# KiCad board cpu-blitter-inputs.kicad_pcb (continued)
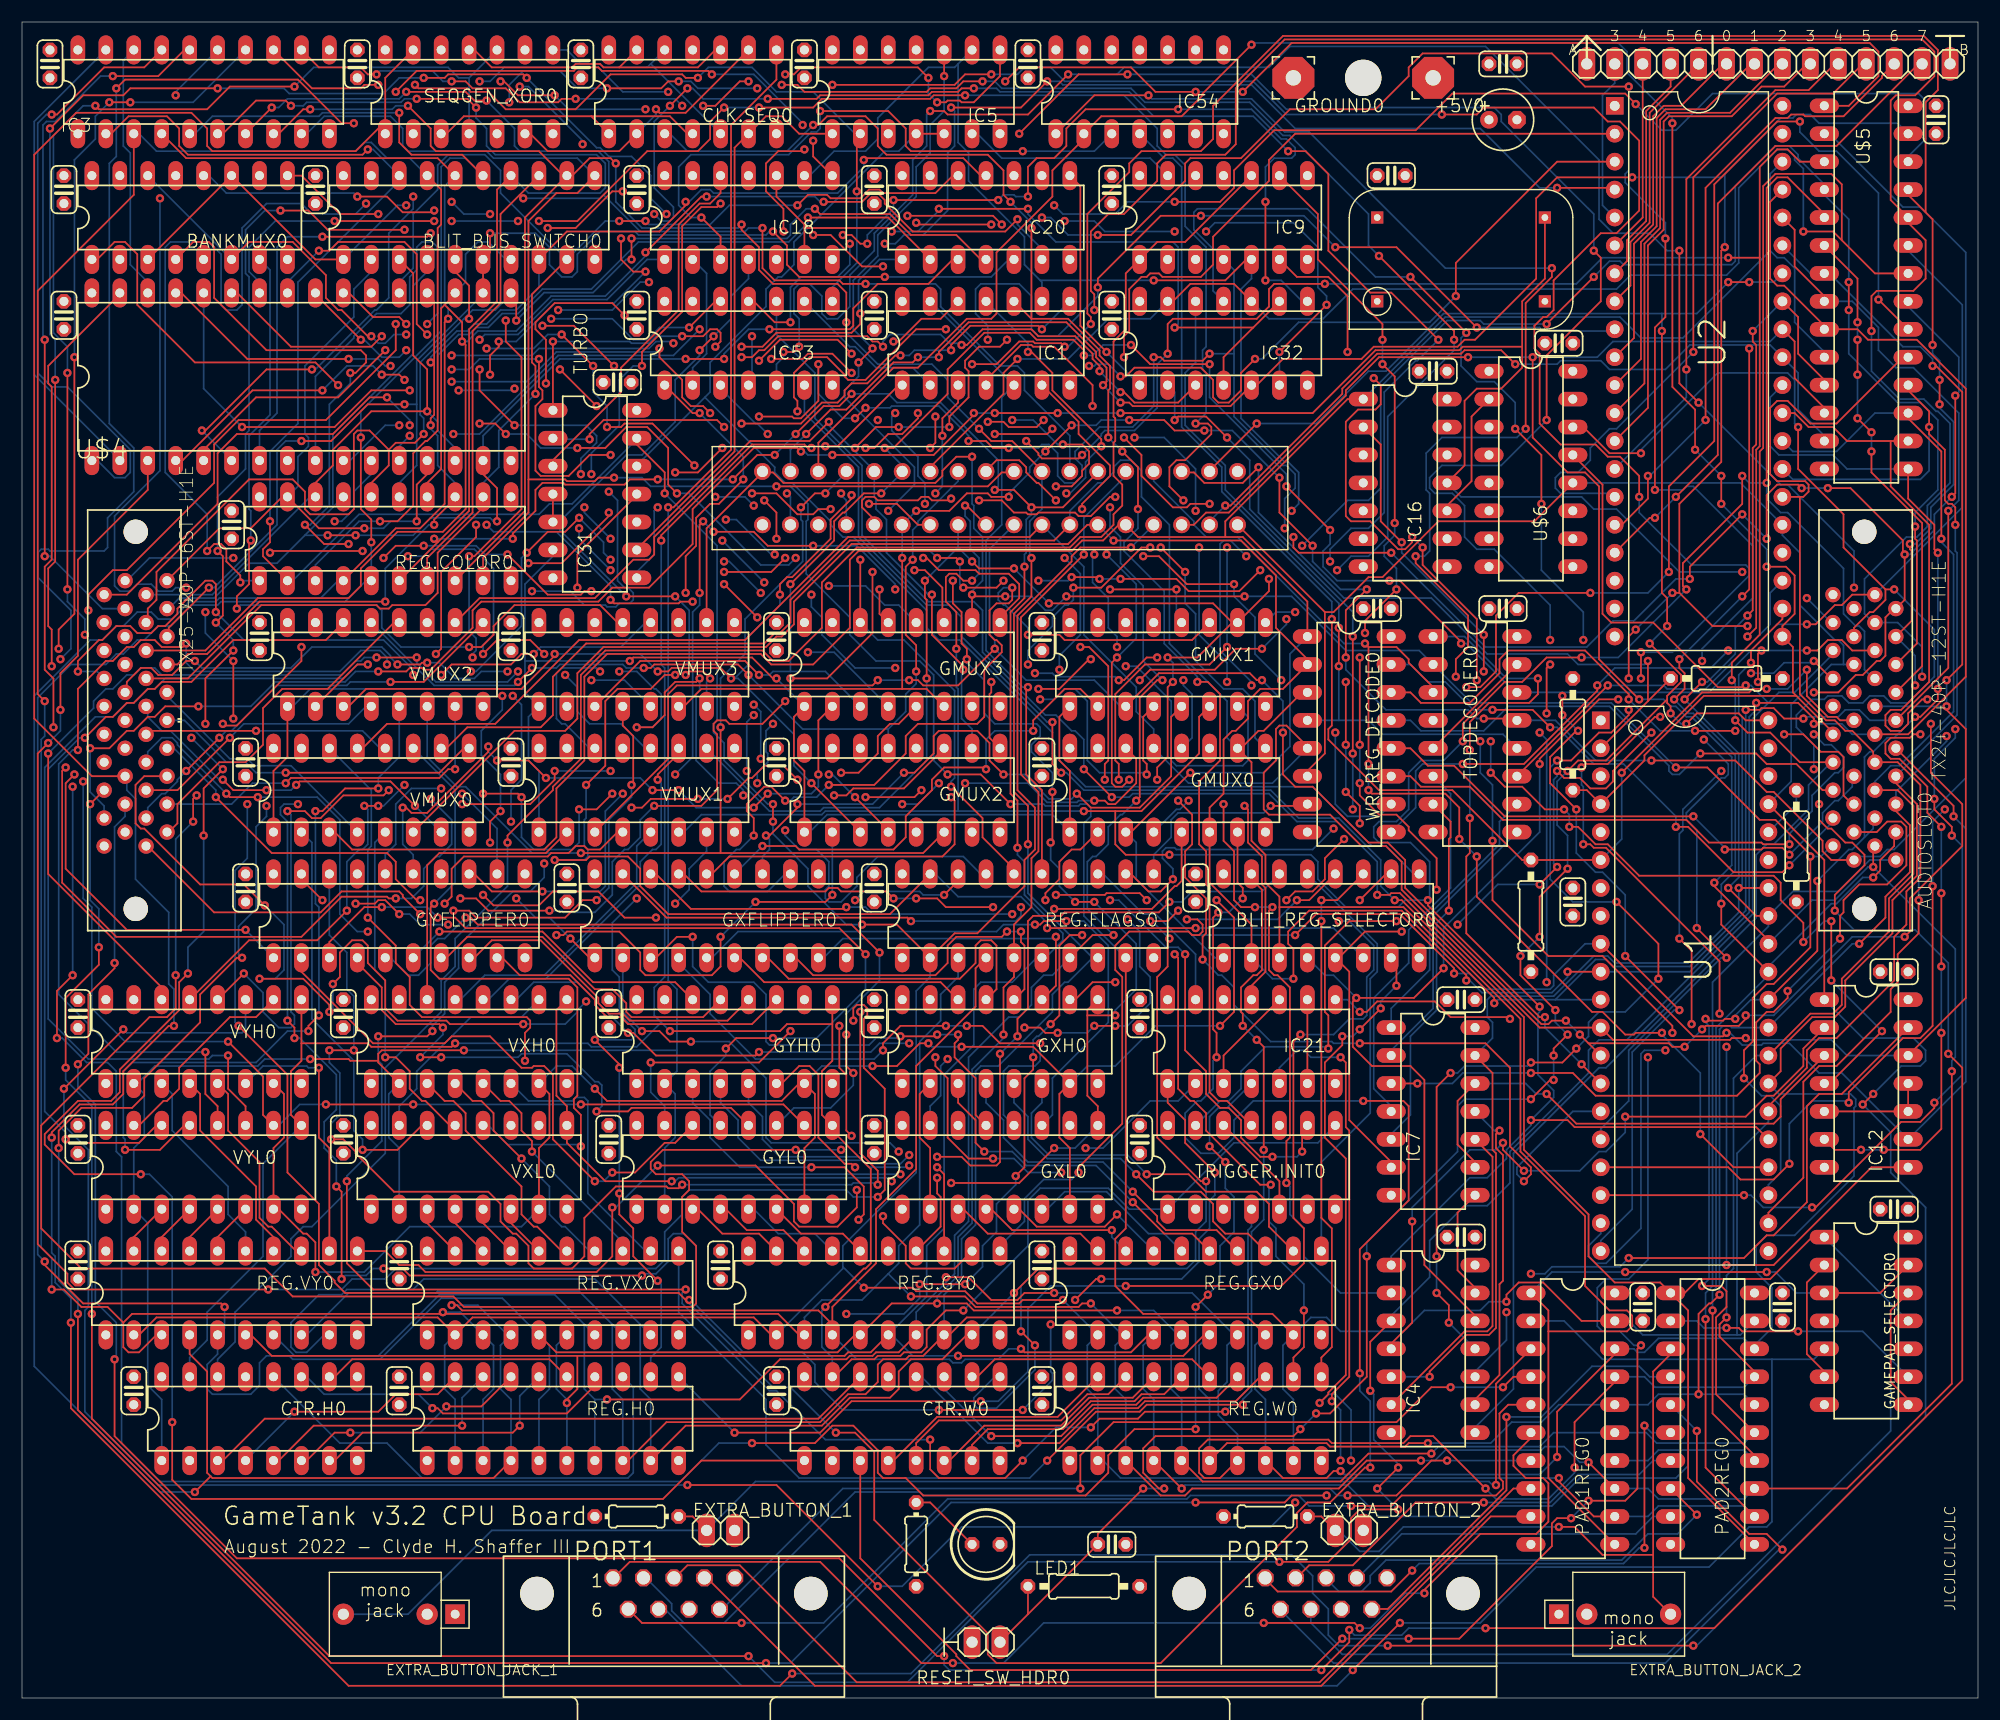
[diagram p0: board, top side]
## Routing (per net, layer and track width the routed paths; a pad name or vN(x,y) marks a point on that pad's centre or on a via; arc(x,y) is an arc through that point) (continued)
D7: length 518.1
  Top w0.152: REG.COLOR0.9 41.91,103.66 46.04,107.79 46.04,110.81 ; REG.GY0.9 85.88,33.02 83.66,30.8 80.8,30.8 79.69,29.69 79.69,28.1 78.9,27.31 75.25,27.31 72.71,24.76 60.33,24.76 REG.H0.9 ; REG.GX0.9 113.66,34.92 101.92,34.92 99.38,37.47 99.38,39.05 ; 99.38,39.05 92.39,39.05 v1(90.17,36.83) ; 99.38,39.05 99.38,41.75 100.33,42.7 REG.FLAGS0.9 ; v1(53.82,110.97) 52.39,110.97 52.07,110.65 49.53,110.65 49.37,110.81 46.04,110.81 ; U2.26 161.61,109.22 ; 161.61,109.22 161.93,109.22 162.4,109.7 162.4,110.33 162.08,110.65 159.54,110.65 158.91,111.28 158.91,117.32 159.54,117.95 160.5,117.95 162.56,115.89 164.94,115.89 170.97,121.92 U$5.19 ; 161.61,109.22 161.61,91.28 163.99,88.9 164.78,88.9 165.73,87.95 166.37,87.95 168.28,86.04 168.28,85.09 AUDIOSLOT0.33 170.5,85.09 172.56,83.03 172.56,74.61 171.29,73.34 171.29,70.33 170.18,69.21 170.18,65.25 164.94,60.01 163.35,60.01 162.24,58.9 162.24,57.31 158.75,53.82 U1.26 ; PAD1REG0.19 141.76,34.29 138.27,37.78 136.05,37.78 134.94,36.67 v1(134.94,36.04) ; 46.04,110.81 46.04,134.3 48.58,136.84 50.48,136.84 BLIT_BUS_SWITCH0.11 ; U$3.P$28 90.17,111.44 89.06,111.44 87.79,110.17 v1(68.58,110.17) ; v1(89.85,81.28) 87.15,83.98 v1(84.14,83.98)
  Bottom w0.152: REG.FLAGS0.9 96.52,71.12 96.52,79.53 97.16,80.17 97.16,80.96 96.84,81.28 96.2,81.28 96.04,81.12 93.03,81.12 92.87,81.28 v1(89.85,81.28) ; 155.89,33.02 147.32,33.02 146.05,34.29 PAD1REG0.19 ; 155.89,33.02 156.21,33.02 PAD2REG0.19 ; 155.89,33.02 155.89,49.53 158.75,52.39 U1.26 ; REG.H0.9 57.15,27.15 56.2,28.1 56.2,33.97 ; 56.2,33.97 52.07,38.1 36.51,38.1 35.56,37.15 29.53,37.15 29.05,36.67 26.99,36.67 24.45,34.13 24.45,31.91 24.92,31.43 25.88,31.43 27.46,33.02 REG.VY0.9 ; 56.2,33.97 REG.VX0.9 ; v1(84.14,83.98) 82.87,85.25 82.87,93.03 81.6,94.3 77.63,94.3 75.25,96.68 75.25,98.27 71.28,102.23 71.28,107 71.44,107.16 71.44,108.58 69.85,110.17 v1(68.58,110.17) 57.15,110.17 56.36,110.97 v1(53.82,110.97) ; IC3.9 25.88,142.24 27.46,143.83 33.5,143.83 34.61,142.72 34.61,141.13 35.08,140.65 42.23,140.65 42.86,140.02 50.48,140.02 BLIT_BUS_SWITCH0.11 ; v1(134.94,36.04) 133.35,36.04 132.56,35.24 127.48,35.24 125.57,33.34 119.86,33.34 118.59,34.61 117.16,34.61 REG.GX0.9 114.62,32.07 114.62,28.1 115.57,27.15 REG.W0.9 ; REG.GY0.9 v1(90.17,36.83)
DD0: length 112.9
  Top w0.152: J2.40 13.18,101.6 17.94,106.36 20.8,106.36 23.65,109.22 REG.COLOR0.19 26.99,106.36 v1(31.11,106.36) ; v1(35.88,107) 35.88,110.33 36.83,111.28 U$4.13 ; v1(76.2,125.89) 76.2,124.94 75.41,124.14 68.58,124.14 67.31,122.87 v1(65.41,122.87)
  In2.Cu w0.152: v1(61.59,124.46) 63.82,124.46 v1(65.41,122.87) ; v1(39.21,114.93) 36.83,112.55 U$4.13
  Bottom w0.152: v1(76.2,125.89) 76.04,126.05 76.04,128.91 77.95,130.81 IC20.1 ; v1(31.11,106.36) 32.86,106.36 33.5,107 v1(35.88,107) ; v1(61.59,124.46) 59.21,122.08 48.74,122.08 41.59,114.93 v1(39.21,114.93) ; BLIT_BUS_SWITCH0.2 31.75,129.7 30.16,128.11 30.16,125.57 25.72,121.13 25.72,114.93 26.03,114.62 26.03,113.82 25.08,112.87 25.08,110.17 REG.COLOR0.19
DD1: length 112.3
  Top w0.152: REG.COLOR0.18 26.67,110.49 28.26,112.08 28.26,113.51 31.75,117 v1(36.83,117) 36.83,120.81 35.56,122.08 35.56,129.54 BLIT_BUS_SWITCH0.3 ; v1(71.44,134.62) 78.74,134.62 IC20.2
  Bottom w0.152: 37.78,116.05 37.78,122.08 39.69,123.98 40.64,123.98 41.27,124.62 42.39,124.62 43.66,125.89 45.08,125.89 47.31,128.11 51.75,128.11 56.04,132.4 69.69,132.4 71.44,134.14 v1(71.44,134.62) ; 37.78,116.05 37.78,115.25 39.37,113.66 U$4.14 ; 37.78,116.05 v1(36.83,117) ; J2.39 17.3,100.33 26.19,109.22 REG.COLOR0.18
DD2: length 123.9
  Top w0.152: U$4.15 41.91,111.28 43.18,110.01 v1(43.18,107) ; v1(60.33,121.76) v1(63.82,121.76) ; v1(27.78,105.73) v1(30.32,105.73) ; IC20.3 84.61,130.81 82.39,128.59 77.79,128.59 75.56,126.36 75.56,124.78 75.25,124.46 v1(67.94,124.46)
  Bottom w0.152: 25.72,105.73 28.26,108.27 ; 25.72,105.73 23.18,103.19 20.64,103.19 17.46,100.01 14.29,100.01 13.33,99.06 J2.38 ; 25.72,105.73 v1(27.78,105.73) ; 28.26,108.27 REG.COLOR0.17 ; 28.26,108.27 28.26,114.93 35.56,122.24 35.56,128.43 36.83,129.7 BLIT_BUS_SWITCH0.4 ; v1(30.32,105.73) 35.56,105.73 37.15,107.31 42.55,107.31 42.86,107 v1(43.18,107) ; v1(63.82,121.76) 63.82,122.24 66.04,124.46 v1(67.94,124.46) ; v1(60.33,121.76) 48.89,121.76 41.91,114.78 U$4.15
DD3: length 125.7
  Top w0.152: v1(40.64,125.41) 40.64,128.43 39.37,129.7 BLIT_BUS_SWITCH0.5 ; 33.34,113.51 33.97,114.14 35.72,114.14 v1(36.51,114.93) ; 33.34,113.51 31.59,115.25 30.48,115.25 30.16,114.93 30.16,108.11 29.69,107.63 26.19,107.63 25.72,108.11 25.72,109.7 24.61,110.81 20.64,110.81 12.22,102.39 12.22,99.85 11.43,99.06 11.43,97.79 J2.37 ; 33.34,113.51 33.34,112.08 31.75,110.49 REG.COLOR0.16 ; U$4.17 44.45,127.63 44.93,127.16 v1(44.93,125.25) ; v1(72.07,135.41) 72.55,134.94 78.9,134.94 80.8,133.03 84.93,133.03 87.15,130.81 IC20.4 ; v1(55.4,130.81) v1(55.4,132.72)
  Bottom w0.152: v1(55.4,130.81) 54.93,130.81 51.91,127.79 47.47,127.79 v1(44.93,125.25) ; v1(72.07,135.41) 71.28,135.41 69.85,133.98 69.85,133.03 69.53,132.72 v1(55.4,132.72) ; 40.16,125.41 40.96,126.21 43.02,126.21 44.45,127.63 U$4.17 ; 40.16,125.41 36.19,121.44 36.19,116.68 36.51,116.36 v1(36.51,114.93) ; 40.16,125.41 v1(40.64,125.41)
DD4: length 119.8
  Top w0.152: v1(78.42,129.22) 70.64,129.22 69.53,130.33 69.53,132.08 v1(68.26,133.35) ; v1(16.99,100.96) 13.33,97.31 13.33,96.52 J2.36 ; v1(25.4,114.3) 28.1,114.3 31.43,117.63 v1(34.77,117.63) ; v1(42.55,133.19) 42.55,131.44 BLIT_BUS_SWITCH0.6 U$4.18
  Bottom w0.152: 35.88,117.63 35.88,121.6 41.91,127.63 U$4.18 ; 35.88,117.63 35.88,112.08 34.29,110.49 REG.COLOR0.15 ; 35.88,117.63 v1(34.77,117.63) ; v1(78.42,129.22) 88.11,129.22 89.69,130.81 IC20.5 ; v1(16.99,100.96) 17.46,100.96 23.18,106.68 23.18,113.51 23.97,114.3 v1(25.4,114.3) ; v1(42.55,133.19) 46.67,133.19 47.94,131.92 47.94,130.33 49.05,129.22 50.01,129.22 50.48,129.7 50.48,131.29 52.55,133.35 55.72,133.35 56.04,133.03 67.63,133.03 67.94,133.35 v1(68.26,133.35)
DD5: length 146.7
  Top w0.152: v1(72.87,136.05) 76.36,136.05 77.15,136.84 77.79,136.84 78.42,136.21 78.42,135.89 80.96,133.35 89.38,133.35 v1(90.49,134.46) ; v1(56.67,131.44) 61.75,136.52 v1(62.23,136.52) ; REG.COLOR0.14 36.83,110.49 38.1,111.76 38.1,126.36 38.42,126.68 ; 38.42,126.68 39.37,127.63 U$4.19 ; 38.42,126.68 40,125.09 v1(40,123.35) 40.32,123.03 40.32,108.11 38.26,106.04 34.13,106.04 30.8,102.71 30.8,101.12 29.69,100.01 21.43,100.01 16.67,95.25 J2.35
  Bottom w0.152: U$4.19 39.37,127.79 40.32,128.75 40.32,131.29 41.43,132.4 42.39,132.4 43.97,130.81 BLIT_BUS_SWITCH0.7 ; v1(62.23,136.52) 72.07,136.52 72.55,136.05 v1(72.87,136.05) ; IC20.6 92.71,131.76 90.49,133.98 v1(90.49,134.46) ; v1(40,123.35) 40.48,123.35 41.43,124.3 44.93,124.3 48.1,127.48 53.02,127.48 56.67,131.13 v1(56.67,131.44)
DD6: length 116.2
  Top w0.152: v1(60.33,136.05) 60.33,135.73 57.94,133.35 49.53,133.35 BLIT_BUS_SWITCH0.8 ; v1(33.02,99.69) 21.59,99.69 16.83,94.93 15.08,94.93 14.13,93.98 J2.34 ; IC20.11 87.15,138.43 85.57,140.02 76.68,140.02 v1(76.52,139.86) ; v1(37.47,106.68) 37.47,107.16 39.37,109.06 REG.COLOR0.13 ; 37.47,121.44 37.47,127 36.83,127.63 U$4.20 ; 37.47,121.44 v1(37.15,121.44) ; 37.47,121.44 37.47,116.68 37.15,116.36 v1(37.15,115.73)
  Bottom w0.152: v1(76.52,139.86) 76.52,139.22 74.14,136.84 62.86,136.84 62.55,137.16 61.75,137.16 60.64,136.05 v1(60.33,136.05) ; REG.COLOR0.13 39.37,110.49 37.78,112.08 37.78,114.78 37.15,115.41 v1(37.15,115.73) ; v1(37.47,106.68) 36.99,106.68 33.02,102.71 v1(33.02,99.69) ; v1(37.15,121.44) 37.15,121.92 39.53,124.3 40.48,124.3 41.12,124.94 42.23,124.94 43.5,126.21 44.93,126.21 46.99,128.27 BLIT_BUS_SWITCH0.8
DD7: length 135.3
  Top w0.152: BLIT_BUS_SWITCH0.9 46.36,127.63 46.36,121.44 46.67,121.13 v1(46.67,118.59) ; REG.COLOR0.12 41.91,108.27 37.78,104.14 37.78,100.49 36.67,99.38 33.66,99.38 33.34,99.06 32.54,99.06 32.23,99.38 21.75,99.38 15.08,92.71 J2.33 ; v1(70.48,135.73) 71.44,136.68 73.18,136.68 73.5,136.37 76.2,136.37 76.99,137.16 77.95,137.16 78.26,136.84 83.03,136.84 84.61,138.43 IC20.12 ; v1(54.29,134.3) v1(56.67,134.3)
  Bottom w0.152: REG.COLOR0.12 41.91,110.49 43.34,111.92 43.34,115.25 v1(46.67,118.59) ; v1(54.29,134.3) 53.02,134.3 BLIT_BUS_SWITCH0.9 43.5,136.84 43.5,138.91 42.07,140.33 38.73,140.33 37.78,139.38 37.78,137.16 35.56,134.94 35.56,130.02 34.29,128.75 U$4.21 ; v1(56.67,134.3) 56.99,133.98 62.55,133.98 64.29,135.73 v1(70.48,135.73)
DMAMODE: length 164.8
  Top w0.152: v1(48.42,76.2) 51.28,76.2 51.59,76.52 55.09,76.52 56.2,75.41 56.2,73.82 58.74,71.28 78.9,71.28 REG.FLAGS0.19 ; v1(59.37,93.03) 58.42,93.03 57.15,91.76 54.13,91.76 53.02,90.65 53.02,84.77 v1(51.28,83.03) ; v1(61.59,122.55) v1(62.86,123.82) ; v1(59.37,100.17) v1(54.93,100.17) ; v1(106.68,70.01) v1(93.19,70.01) ; IC31.4 IC31.5
  Bottom w0.152: v1(59.37,100.17) 60.64,98.9 60.64,94.3 v1(59.37,93.03) ; REG.FLAGS0.19 83.03,74.93 85.09,72.87 90.81,72.87 93.19,70.48 v1(93.19,70.01) ; v1(48.42,76.2) 51.12,76.2 51.44,76.52 51.44,77.15 51.12,77.47 51.12,79.85 51.28,80.01 v1(51.28,83.03) ; 48.89,107 48.89,106.2 v1(54.93,100.17) ; 48.89,107 48.26,107 IC31.5 48.89,107 ; 48.89,107 54.93,113.03 56.36,113.03 59.37,116.05 59.37,119.86 61.59,122.08 v1(61.59,122.55) ; IC18.4 66.04,129.06 64.45,127.48 64.45,125.41 v1(62.86,123.82) ; BLIT_REG_SELECTOR0.6 119.22,70.01 v1(106.68,70.01)
GA14: length 197.4
  Top w0.152: v1(3.49,89.85) 3.49,93.19 5.08,94.77 5.08,103.5 11.43,109.85 U$4.3 ; v1(75.56,61.59) 75.56,62.71 75.88,63.02 76.52,63.02 76.84,62.71 76.84,62.07 76.52,61.75 76.52,57.31 78.42,55.4 78.42,46.2 v1(77.79,45.56) ; v1(22.38,37.15) 4.76,37.15 4.13,37.78 4.13,38.58 1.43,41.28 1.43,85.88 v1(2.38,86.84)
  In1.Cu w0.152: GXFLIPPER0.12 72.39,73.34 77.31,68.42 77.31,67.31 75.56,65.56 v1(75.56,61.59)
  Bottom w0.152: v1(3.49,89.85) 3.49,87.95 v1(2.38,86.84) ; v1(22.38,37.15) 29.05,37.15 30,38.1 33.02,38.1 33.97,39.05 57.63,39.05 58.42,39.85 58.42,42.39 60.01,43.97 60.01,45.56 60.64,46.2 74.93,46.2 75.56,45.56 v1(77.79,45.56)
GA15: length 116.2
  Top w0.152: v1(33.97,72.71) 33.34,72.71 33.18,72.87 29.05,72.87 25.4,69.21 8.57,69.21 3.65,74.14 3.65,84.3 v1(3.97,84.61) ; U$4.31 8.89,127.63 2.38,121.13 2.38,119.54 2.7,119.22 2.7,103.5 2.06,102.87 2.06,93.5 2.86,92.71 v1(2.86,88.27)
  In1.Cu w0.152: v1(2.86,88.27) 3.97,87.15 v1(3.97,84.61)
  In2.Cu w0.152: v1(37.15,81.76) 39.53,81.76 v1(40,82.23)
  Bottom w0.152: GYFLIPPER0.12 43.18,79.06 v1(40,82.23) ; v1(37.15,81.76) 39.05,79.85 39.05,77.63 37.94,76.52 37.62,76.52 36.51,75.41 36.51,73.82 35.4,72.71 v1(33.97,72.71)
GA16: length 43.3
  Bottom w0.152: U$4.2 8.89,112.55 1.11,120.33 1.11,143.35 IC3.19
GA17: length 23.4
  Bottom w0.152: U$4.30 11.43,128.75 9.84,130.33 9.84,140.49 9.21,141.13 9.21,148.91 IC3.18
GA18: length 54.5
  Top w0.152: v1(2.7,143.99) 3.17,143.99 7.46,148.27 11.11,148.27 IC3.17
  Bottom w0.152: U$4.1 6.35,112.39 6.98,112.39 8.41,110.97 9.37,110.97 9.84,111.44 9.84,113.51 4.13,119.22 2.7,119.22 1.43,120.49 1.43,143.19 2.22,143.99 v1(2.7,143.99)
GRAM_PAGE_SEL: length 140
  Top w0.152: v1(93.98,110.17) 95.41,110.17 96.36,111.12 96.36,111.6 97,112.24 97,113.35 96.36,113.98 v1(94.62,113.98) ; v1(110.17,101.28) 105.89,101.28 103.35,103.82 v1(101.92,103.82)
  In1.Cu w0.152: v1(101.92,103.82) 101.92,104.46 101.12,105.25 100.33,105.25 99.22,106.36 99.22,106.68 95.73,110.17 v1(93.98,110.17)
  In2.Cu w0.152: IC3.11 29.21,149.86 30.48,148.59 43.18,148.59 v1(45.24,146.53) ; v1(119.38,87.79) 119.22,87.79 v1(114.46,92.55) ; v1(50.96,141.29) 51.28,141.29 55.4,137.16 60.64,137.16 65.72,132.08 68.58,132.08 72.39,128.27 74.93,128.27 77.47,125.73 78.58,125.73 83.98,120.33 85.41,120.33 88.26,117.47 88.74,117.47 v1(90.01,116.2)
  Bottom w0.152: v1(114.46,92.55) 112.08,94.93 112.08,98.27 110.17,100.17 v1(110.17,101.28) ; v1(119.38,87.79) 119.38,81.28 120.49,80.17 123.35,80.17 WR_REG_DECODE0.10 ; v1(50.96,141.29) 50.96,141.6 46.04,146.53 v1(45.24,146.53) ; v1(90.01,116.2) 91.92,116.2 94.14,113.98 v1(94.62,113.98)
GX-CARRY: length 69.3
  Top w0.152: v1(99.54,94.61) 99.06,94.14 99.06,83.18 99.38,82.87 100.01,82.87 v1(100.65,83.5) ; v1(99.38,65.09) 97.31,65.09 95.73,63.5 GXH0.10 ; IC1.6 96.04,116.05 96.04,114.93 98.9,112.08 98.9,111.12 96.36,108.58 v1(96.36,108.11)
  In1.Cu w0.152: v1(98.58,103.98) 96.36,106.2 v1(96.36,108.11) ; v1(100.65,83.5) 100.65,81.28 101.6,80.33 101.6,67.31 v1(99.38,65.09)
  Bottom w0.152: v1(99.54,94.61) 101.28,96.36 101.28,101.28 v1(98.58,103.98)
GX-CARRY?: length 113.7
  Top w0.152: v1(91.12,60.96) 92.55,60.96 93.03,60.48 v1(94.14,60.48) ; v1(107.95,108.58) 106.2,108.58 105.89,108.27 104.62,108.27 101.76,111.12 101.76,113.03 v1(100.17,114.62) ; v1(99.69,83.5) 99.69,84.93 99.38,85.25 99.38,91.28 102.08,93.98 107.95,93.98 v1(109.54,95.57) ; IC1.4 87.63,119.86 90.81,123.03 91.76,123.03 91.92,122.87 93.82,122.87 97.31,119.38 v1(97.31,117.47) ; v1(99.38,61.12) v1(97.47,61.12)
  In1.Cu w0.152: v1(109.54,104.62) 109.54,106.2 109.06,106.68 109.06,107.47 v1(107.95,108.58) ; v1(91.12,60.96) 88.74,60.96 85.88,58.1 v1(84.14,58.1) ; v1(99.69,83.5) 99.69,81.6 99.06,80.96 99.06,74.93 100.49,73.5 v1(100.49,70.8) ; v1(97.31,117.47) v1(100.17,114.62)
  Bottom w0.152: v1(109.54,104.62) v1(109.54,95.57) ; v1(100.49,70.8) 101.6,69.69 101.6,66.52 102.55,65.56 102.55,63.18 100.49,61.12 v1(99.38,61.12) ; GXL0.15 82.55,53.82 83.5,54.77 83.5,57.47 v1(84.14,58.1) ; v1(97.47,61.12) 96.84,60.48 v1(94.14,60.48)
GY-CARRY: length 84
  Top w0.152: v1(98.11,113.82) 98.11,114.46 93.66,118.9 93.66,120.49 91.76,122.4 v1(91.44,122.4)
  In2.Cu w0.152: v1(80.01,81.28) 80.01,78.74 76.52,75.25 76.52,74.93 71.12,69.53 GYH0.10 ; v1(94.77,103.66) 94.77,105.73 94.14,106.36 94.14,108.11 94.93,108.9 v1(94.93,109.54) ; v1(83.34,83.18) 83.34,84.14 84.61,85.41 86.68,85.41 91.44,90.17 92.87,90.17 94.3,91.6 v1(94.3,93.5)
  Bottom w0.152: v1(98.11,113.82) 96.68,112.39 96.68,110.97 95.25,109.54 v1(94.93,109.54) ; v1(91.44,122.4) 91.44,123.19 IC1.11 ; v1(94.3,93.5) 94.3,94.77 96.2,96.68 96.2,102.23 v1(94.77,103.66) ; v1(80.01,81.28) 81.44,81.28 v1(83.34,83.18)
GY-CARRY?: length 105.8
  Top w0.152: v1(69.85,60.64) 66.99,57.78 v1(57.15,57.78) ; v1(69.85,92.71) 73.18,92.71 77.31,96.84 v1(77.31,102.39) ; IC1.12 83.5,125.41 81.76,125.41 79.69,123.35 v1(79.22,123.35)
  In1.Cu w0.152: v1(82.07,108.58) 82.07,107.79 81.44,107.16 81.44,106.52 v1(77.31,102.39) ; v1(65.88,84.3) 65.41,84.3 63.5,82.39 63.5,72.39 69.85,66.04 v1(69.85,60.64) ; v1(69.85,92.71) v1(66.52,89.38)
  In2.Cu w0.152: v1(79.38,116.84) 81.28,118.75 81.28,119.7 79.22,121.76 v1(79.22,123.35)
  Bottom w0.152: v1(79.38,116.84) 79.06,116.52 79.06,115.25 81.44,112.87 81.44,111.12 82.07,110.49 v1(82.07,108.58) ; v1(57.15,57.78) 57.15,55.09 58.42,53.82 GYL0.15 ; v1(66.52,89.38) 65.88,88.74 v1(65.88,84.3)
IRQ: length 89.1
  Top w0.152: v1(120.33,82.39) 121.6,81.12 v1(121.6,79.53) ; v1(123.67,123.51) 123.67,124.94 117.79,130.81 117.79,134.94 IC9.9 ; v1(124.94,100.81) 122.08,97.95 v1(122.08,96.84) ; v1(124.78,106.84) 124.78,120.17 v1(123.67,121.28) ; v1(120.33,92.39) v1(120.33,86.68) ; v1(114.94,72.55) 115.73,73.34 117.32,73.34 118.43,74.45 118.43,76.36 v1(120.17,78.1)
  In1.Cu w0.152: v1(120.33,92.39) 122.71,94.77 122.71,96.2 v1(122.08,96.84) ; v1(121.6,79.53) v1(120.17,78.1) ; v1(114.94,72.55) 114.94,69.21 IC21.12
  Bottom w0.152: v1(124.94,100.81) 124.94,102.71 123.82,103.82 123.82,104.77 124.78,105.73 v1(124.78,106.84) ; v1(120.33,86.68) v1(120.33,82.39) ; v1(123.67,123.51) v1(123.67,121.28)
IRQ-ENABLE: length 16
  Bottom w0.152: IC21.13 106.68,67.63 103.03,71.28 101.92,71.28 98.27,74.93 REG.FLAGS0.13
N$1: length 204
  Top w0.152: v1(56.67,129.7) 55.56,129.7 54.45,130.81 v1(54.45,132.72) ; v1(42.55,120.33) 42.55,122.08 43.34,122.87 v1(43.34,123.35) ; v1(112.71,95.41) 110.33,95.41 108.43,93.5 102.55,93.5 v1(101.6,92.55) ; v1(60.48,146.37) v1(58.9,144.78) ; v1(128.75,123.51) 124.46,127.79 122.56,127.79 118.75,131.6 118.75,138.59 116.68,140.65 v1(115.09,140.65) ; v1(86.52,146.37) 85.41,146.37 85.09,146.05 82.71,146.05 82.39,145.73 72.55,145.73 72.23,145.41 v1(67.79,145.41)
  In1.Cu w0.152: v1(114.94,98.11) 114.94,98.9 118.9,102.87 v1(118.9,103.35)
  In2.Cu w0.152: v1(54.45,132.72) 54.45,133.03 56.36,134.94 v1(57.47,134.94) ; v1(35.24,114.78) 36.83,116.36 38.58,116.36 v1(42.55,120.33) ; v1(101.6,92.55) 101.6,86.04 v1(106.04,81.6)
  Bottom w0.152: v1(67.79,145.41) 61.91,145.41 60.96,146.37 v1(60.48,146.37) ; v1(128.75,123.51) 126.84,121.6 126.68,121.6 123.82,118.75 123.82,107.79 122.4,106.36 120.81,106.36 118.9,104.46 v1(118.9,103.35) ; v1(114.94,98.11) 114.94,97.63 v1(112.71,95.41) ; v1(57.47,134.94) 58.1,134.3 58.9,134.3 59.21,134.62 59.21,135.57 57.47,137.32 57.47,143.35 v1(58.9,144.78) ; GMUX0.4 104.93,80.8 105.25,80.8 v1(106.04,81.6) ; v1(56.67,129.7) 53.82,126.84 48.42,126.84 44.93,123.35 v1(43.34,123.35) ; v1(86.52,146.37) 88.58,146.37 88.9,146.05 100.65,146.05 102.87,143.83 111.92,143.83 v1(115.09,140.65) ; v1(35.24,114.78) 34.29,113.82 U$4.12
N$2: length 299.4
  Top w0.152: v1(19.69,61.12) 24.13,56.67 24.13,47.78 26.99,44.93 26.99,39.37 28.42,37.94 28.42,37.78 29.37,36.83 59.69,36.83 60.33,36.19 v1(60.64,36.19) ; v1(108.59,58.26) 108.59,60.48 108.27,60.8 108.27,70.96 v1(108.74,71.44) ; v1(110.97,72.71) 110.97,73.66 110.49,74.14 GMUX0.7 ; v1(122.56,20.95) 122.08,20.95 118.9,17.78 116.84,17.78 115.89,16.83 115.89,15.56 103.5,3.17 88.58,3.17 87.79,3.97 87.79,5.87 77.47,16.19 77.47,22.38 75.72,24.13 v1(73.98,24.13) ; v1(25.4,95.57) 25.4,94.3 19.53,88.42 18.41,88.42 v1(18.26,88.58) ; v1(121.92,54.29) 125.57,54.29 126.05,53.82 126.05,45.24 121.6,40.8 v1(121.6,29.53)
  In1.Cu w0.152: v1(25.4,95.57) 25.4,101.6 28.42,104.62 v1(28.42,107)
  In2.Cu w0.152: v1(20.48,81.28) 18.89,82.87 18.89,84.77 17.3,86.36 17.3,87.63 v1(18.26,88.58)
  Bottom w0.152: v1(121.92,54.29) 111.92,54.29 110.17,52.55 110.17,50.96 108.74,49.53 107.16,49.53 105.73,50.96 105.73,53.18 106.84,54.29 107.16,54.29 108.27,55.4 108.27,57.94 v1(108.59,58.26) ; U$4.11 31.75,111.28 30.16,109.7 30.16,108.11 29.05,107 v1(28.42,107) ; v1(19.69,61.12) 19.37,61.44 19.37,75.25 20.48,76.36 v1(20.48,81.28) ; v1(60.64,36.19) 60.64,35.88 68.26,28.26 69.85,28.26 v1(73.98,24.13) ; v1(121.6,29.53) 121.6,27.94 122.56,26.99 v1(122.56,20.95) ; v1(110.97,72.71) 109.7,71.44 v1(108.74,71.44)
N$3: length 121
  Top w0.152: v1(75.41,120.49) 73.66,122.24 71.44,122.24 70.96,121.76 v1(68.1,121.76) ; v1(105.73,102.39) v1(103.5,104.62) ; v1(99.38,109.22) 98.9,109.22 97.16,107.47 96.04,107.47 95.73,107.79 92.39,107.79 92.23,107.63 91.44,107.63 91.28,107.79 90.17,107.79 89.06,108.9 v1(87,108.9) ; v1(54.77,125.73) 53.66,126.84 48.42,126.84 46.67,125.09 46.67,124.46 47.62,123.51 v1(47.62,119.54)
  In1.Cu w0.152: v1(87,108.9) 86.84,109.06 85.57,109.06 83.66,110.97 83.66,111.92 82.71,112.87 81.44,112.87 79.06,115.25 79.06,115.89 75.41,119.54 v1(75.41,120.49) ; v1(68.1,121.76) 67.63,122.24 66.99,122.24 63.5,125.73 v1(54.77,125.73) ; v1(44.77,119.06) 46.2,119.06 46.67,119.54 v1(47.62,119.54)
  In2.Cu w0.152: v1(39.69,118.9) 37.47,118.9 v1(34.29,115.73) ; v1(103.5,104.62) 101.76,106.36 101.76,106.84 v1(99.38,109.22)
  Bottom w0.152: v1(39.69,118.9) 44.61,118.9 v1(44.77,119.06) ; U$4.10 29.21,112.55 29.84,112.55 33.02,115.73 v1(34.29,115.73) ; v1(105.73,102.39) 105.73,99.54 106.68,98.58 106.68,94.3 109.22,91.76 110.97,91.76 112.08,90.65 112.08,87.31 GMUX0.9
N$4: length 125.2
  Top w0.152: v1(103.19,94.61) 102.23,94.61 100.17,92.55 v1(99.69,92.55)
  In2.Cu w0.152: v1(92.07,93.19) 89.69,93.19 86.52,96.36 81.44,96.36 79.06,98.74 78.42,98.74 75.41,101.76 73.34,101.76 68.74,106.36 68.74,106.68 66.99,108.43 v1(66.52,108.43) ; v1(36.83,124.94) 38.26,124.94 39.05,124.14 46.51,124.14 54.93,115.73 56.52,115.73 v1(63.02,109.22) ; v1(103.19,94.61) 104.78,93.03 105.09,93.03 v1(105.57,92.55)
  Bottom w0.152: v1(66.52,108.43) 65.72,109.22 v1(63.02,109.22) ; v1(92.07,93.19) 93.66,93.19 93.98,92.87 99.38,92.87 v1(99.69,92.55) ; v1(36.83,124.94) 37.78,125.89 37.78,131.92 37.31,132.4 36.35,132.4 35.88,131.92 35.88,129.86 35.24,129.22 35.24,126.68 34.45,125.89 32.23,125.89 30.16,123.82 30.16,123.67 26.67,120.17 U$4.9 ; v1(105.57,92.55) 105.57,92.07 106.36,91.28 106.36,87.31 GMUX0.12
N$5: length 105.9
  Top w0.152: v1(69.37,103.66) 68.1,102.39 v1(63.82,102.39) ; v1(102.23,83.98) 102.23,84.93 101.92,85.25 101.92,89.22 GMUX1.4 ; v1(53.34,107.79) 53.34,107.47 49.05,103.19 v1(46.04,103.19)
  In1.Cu w0.152: v1(46.04,103.19) 43.81,103.19 39.37,107.63 29.53,107.63 24.77,112.39 24.13,112.39 U$4.8
  In2.Cu w0.152: v1(53.34,107.79) 55.4,105.73 57.63,105.73 57.78,105.89 60.33,105.89 v1(63.82,102.39) ; v1(92.55,90.8) 91.6,90.8 86.36,96.04 79.22,96.04 76.2,99.06 73.98,99.06 v1(69.37,103.66)
  Bottom w0.152: v1(102.23,83.98) 102.08,84.14 97.95,84.14 96.84,85.25 96.84,90.65 95.73,91.76 94.77,91.76 93.82,90.8 v1(92.55,90.8)
N$6: length 138.1
  Top w0.152: v1(27.3,132.87) 36.83,132.87 v1(37.15,133.19) ; v1(53.82,121.13) 50.16,124.78 v1(47.31,124.78)
  In1.Cu w0.152: v1(37.15,133.19) 38.26,133.19 43.5,127.95 43.5,127.32 44.93,125.89 46.2,125.89 v1(47.31,124.78)
  In2.Cu w0.152: v1(53.82,121.13) 55.25,121.13 64.93,111.44 65.88,111.44 69.53,107.79 70.17,107.79 71.28,106.68 71.28,106.36 78.58,99.06 90.17,99.06 92.71,96.52 94.14,96.52 96.84,93.82 v1(100.33,93.82)
  Bottom w0.152: v1(100.33,93.82) 101.28,93.82 104.46,90.65 104.46,85.25 104.93,84.77 110.97,84.77 111.44,85.25 111.44,89.22 GMUX1.7 ; v1(27.3,132.87) 24.13,132.87 23.18,131.92 23.18,116.84 21.59,115.25 U$4.7
N$7: length 185.1
  Top w0.152: v1(53.18,146.37) 58.1,146.37 58.74,147 v1(59.69,147) ; v1(87.31,147) 85.57,147 84.93,146.37 82.55,146.37 82.23,146.05 71.12,146.05 70.48,146.69 v1(69.06,146.69) ; v1(123.35,131.13) 130.18,124.3 v1(130.18,123.51) ; v1(26.35,120.81) 22.22,120.81 16.67,115.25 v1(16.35,115.25)
  In1.Cu w0.152: v1(66.83,146.37) 68.74,146.37 v1(69.06,146.69) ; v1(115.73,98.74) v1(119.54,102.55)
  In2.Cu w0.152: v1(35.56,136.52) 36.19,136.52 41.91,142.24 41.91,142.72 v1(44.29,145.1)
  Bottom w0.152: v1(66.83,146.37) 61.44,146.37 60.8,147 v1(59.69,147) ; v1(130.18,123.51) 130.18,122.55 124.14,116.52 124.14,105.57 122.4,103.82 120.81,103.82 v1(119.54,102.55) ; v1(53.18,146.37) 50.48,146.37 48.89,147.95 45.56,147.95 44.29,146.69 v1(44.29,145.1) ; v1(87.31,147) 88.42,147 89.06,146.37 100.81,146.37 102.08,145.1 111.6,145.1 114.62,142.08 115.25,142.08 122.4,134.94 122.4,132.08 v1(123.35,131.13) ; v1(115.73,98.74) 113.98,98.74 GMUX1.9 ; v1(35.56,136.52) 35.56,135.41 33.34,133.19 33.34,127.32 32.23,126.21 32.07,126.21 26.67,120.81 v1(26.35,120.81) ; v1(16.35,115.25) 19.05,112.55 U$4.6
N$8: length 88.4
  Top w0.152: GMUX2.4 78.74,78.9 v1(75.72,81.91) ; U$4.5 16.51,113.51 21.27,118.27 28.73,118.27 v1(33.02,122.55)
  In1.Cu w0.152: v1(50.64,106.36) 48.89,108.11 47.47,108.11 43.5,112.08 43.5,112.24 42.23,113.51 42.07,113.51 v1(33.02,122.55)
  In2.Cu w0.152: v1(67.15,85.41) 71.91,85.41 v1(73.34,83.98) ; v1(66.52,90.33) 65.25,91.6 64.61,91.6 57.47,98.74 57.31,98.74 v1(53.5,102.55)
  Bottom w0.152: v1(75.72,81.91) 73.66,83.98 v1(73.34,83.98) ; v1(66.52,90.33) 67.15,89.69 v1(67.15,85.41) ; v1(53.5,102.55) 50.64,105.41 v1(50.64,106.36)
N$9: length 89.8
  Top w0.152: v1(32.7,123.82) 31.75,122.87 24.45,122.87 19.69,127.63 19.05,127.63 U$4.27
  In1.Cu w0.152: v1(51.12,108.27) 48.89,110.49 48.42,110.49 45.08,113.82 42.7,113.82 v1(32.7,123.82)
  In2.Cu w0.152: GMUX2.7 86.2,78.74 84.93,80.01 83.34,80.01 77.47,85.88 77.47,87.63 68.58,96.52 67.63,96.52 65.41,98.74 64.93,98.74 62.55,101.12 60.8,101.12 59.05,102.87 56.04,102.87 v1(53.5,105.41)
  Bottom w0.152: v1(51.12,108.27) 51.12,107.79 v1(53.5,105.41)
N$10: length 169
  Top w0.152: v1(102.55,104.62) 101.76,104.62 98.11,100.96 v1(95.57,100.96) ; GMUX2.9 87.95,87.31 87.95,91.28 88.11,91.44 v1(88.11,92.39) ; v1(37.47,134.3) v1(28.42,134.3) ; v1(66.99,144.62) 71.91,144.62 72.71,145.41 82.55,145.41 82.87,145.73 v1(85.72,145.73) ; v1(63.82,144.62) 62.55,143.35 62.55,141.76 61.44,140.65 56.83,140.65 50.48,134.3 v1(46.99,134.3) ; v1(106.68,115.89) 107.79,115.89 108.11,115.57 108.11,114.93 105.73,112.55 104.93,112.55 104.3,111.92 104.3,110.17 v1(105.57,108.9)
  In1.Cu w0.152: v1(102.55,104.62) 103.98,106.04 103.98,107.31 v1(105.57,108.9) ; v1(88.11,92.39) 89.85,92.39 v1(91.44,93.98) ; v1(46.99,134.3) v1(45.08,134.3)
  In2.Cu w0.152: v1(39.05,134.3) v1(37.47,134.3)
  Bottom w0.152: v1(28.42,134.3) 23.02,134.3 20.64,131.92 20.64,129.7 21.59,128.75 U$4.26 ; v1(91.44,93.98) 91.44,95.25 93.66,97.47 93.66,98.27 94.77,99.38 95.09,99.38 95.57,99.85 v1(95.57,100.96) ; v1(45.08,134.3) v1(39.05,134.3) ; v1(106.68,115.89) 107.63,116.84 107.63,120.49 107.31,120.81 107.31,122.55 107.63,122.87 107.63,131.92 105.73,133.83 105.73,139.38 104.78,140.33 103.98,140.33 103.19,141.13 103.19,142.72 100.17,145.73 v1(85.72,145.73) ; v1(66.99,144.62) v1(63.82,144.62)
